# Altium PCB BUCK电路.PcbDoc
Units mil, origin at the board's own origin, x right, y up, seen from the top; angles counter-clockwise.
Board outline 3149.61 x 1968.5 mil, 2 copper layers (Top Layer, Bottom Layer); 38 components, 17 nets, 95 pads, 20 vias.
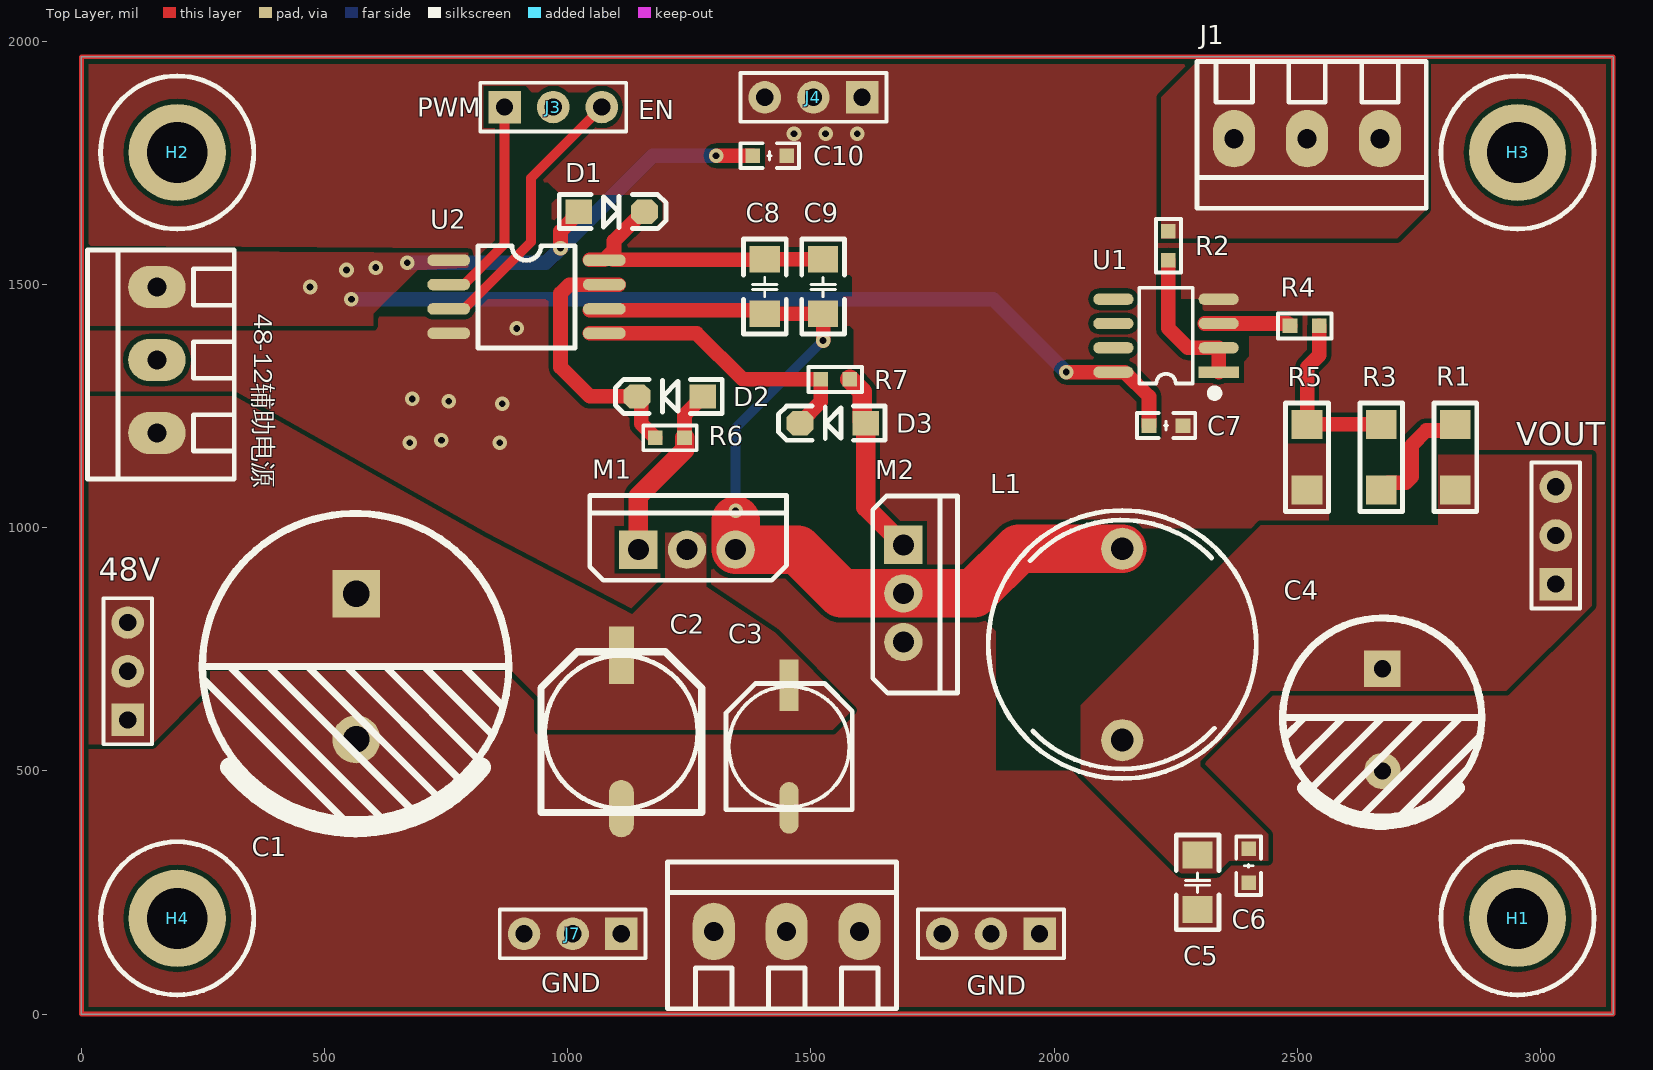
[diagram p0: Top Layer view]
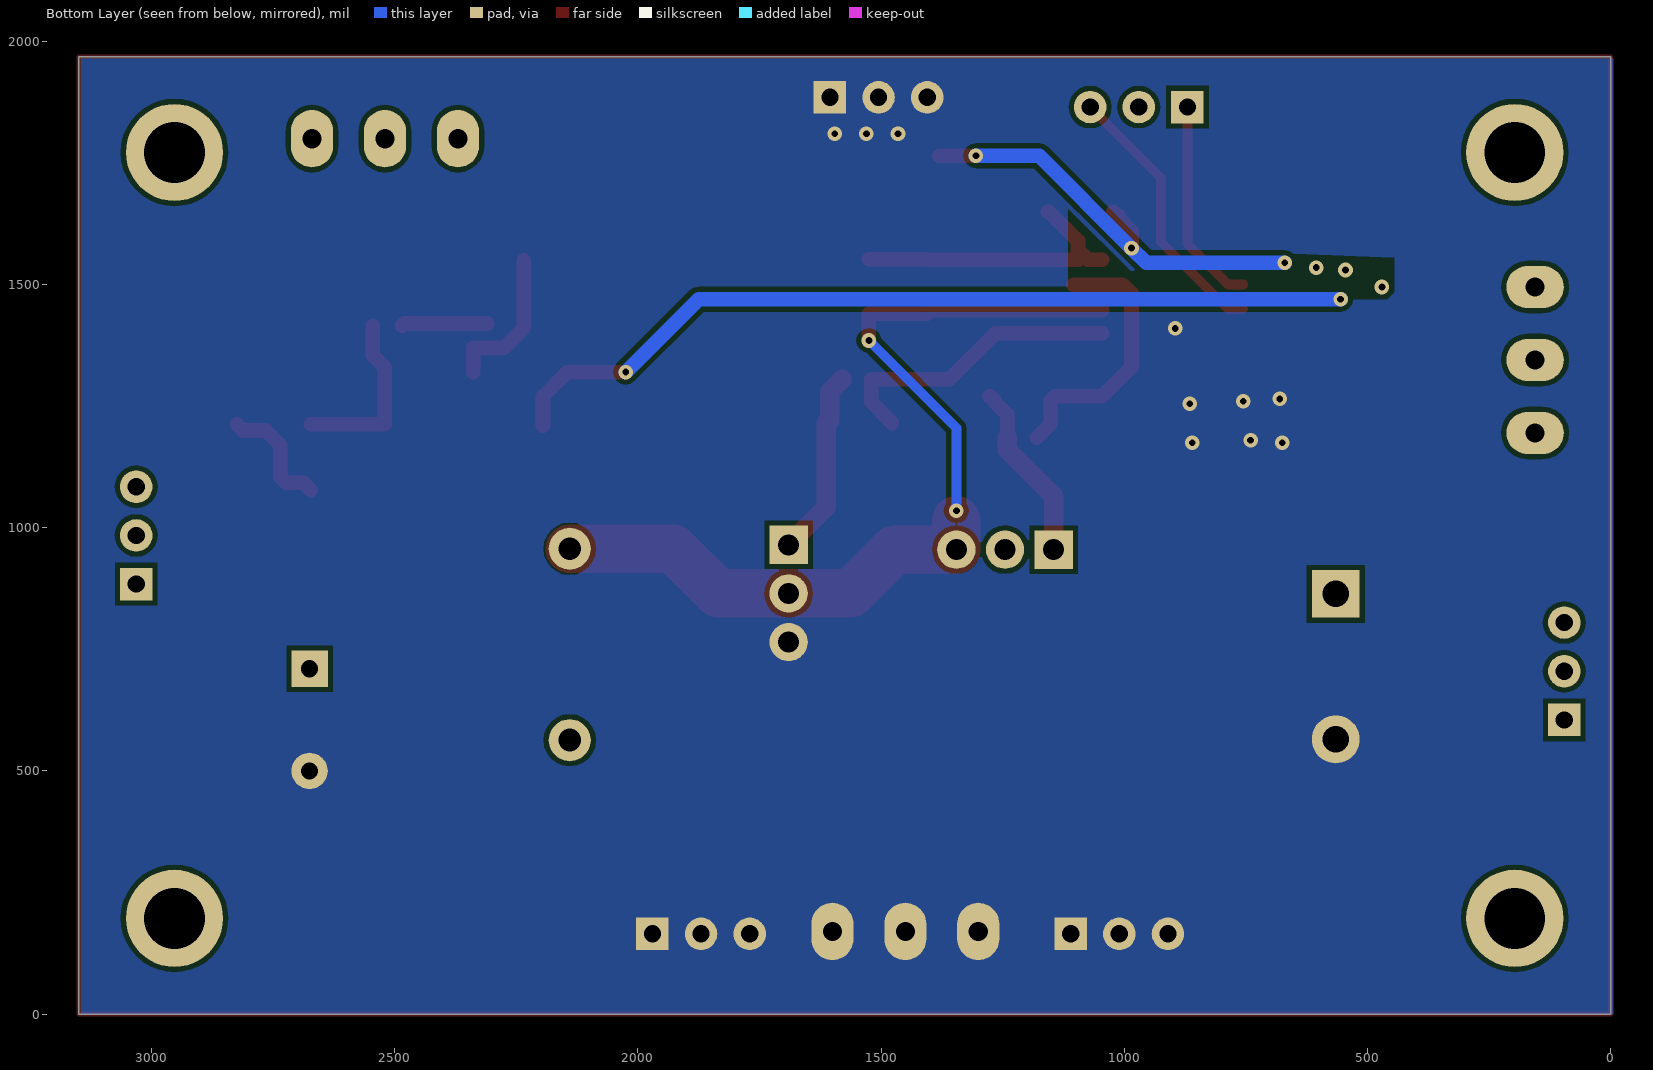
[diagram p1: Bottom Layer view, seen from below]

## Layer stack, top to bottom
Top Solder: solder mask 0.4, Solder Resist, Dk 3.5
Top Layer: signal copper 1.4
Dielectric 1: dielectric 12.6, FR-4, Dk 4.8
Bottom Layer: signal copper 1.4
Bottom Solder: solder mask 0.4, Solder Resist, Dk 3.5

## Board outline
0,0 0,1968.5 3149.61,1968.5 3149.61,0

## Design rules (kind name [scope] priority, off if disabled: settings)
Clearance [All] p1: gap=10 ignorepadtopadclearanceinfootprint=FALSE except(0: Arc-Hole Track-Hole SMDPad-Hole THPad-Hole Via-Hole Fill-Hole Poly-Hole Region-Hole Text-Hole)
PlaneConnect [All] p1: planeconnectstyle=Direct reliefexpansion=20 reliefentries=4 reliefconductorwidth=10 reliefairgap=10
PolygonConnect [All] p1: connectstyle=Direct reliefconductorwidth=10 reliefentries=4 polygonreliefangle="90 Angle" airgapwidth=10
RoutingVias [All] p1: holewidth=28 width=50 viastyle="Through Hole" minholewidth=5 minwidth=20 maxholewidth=28 maxwidth=50
SilkToSolderMaskClearance [IsPad] p1: minsilkscreentomaskgap=5 clearancetoexposedcopper=TRUE
SolderMaskExpansion [All] p1: expansion=4 istentingtop=FALSE
Width [All] p1: maxlimit=100 minlimit=20 preferedwidth=20
28 further rules are at their usual default settings.

## Components (designator, comment, footprint, x,y, rotation, side; value= is the part's Value field where it differs from the comment)
48-12辅助电源 "Header" KF128-3.81-3P 155,1345 r90 top
48V "Header" HDR2.54-LI-3P 95,705 r90 top (schematic designator 48V_IN)
C1 "470uF" "CAP 16*25" 563.5,714.61 r270 top
C2 "22uF" "CAP 8*10.5" 1110,580 r90 top
C3 "2.2uF" "CAP 6.3*5.4" 1455,550 r90 top
C4 "680uF" "CAP 10*16" 2675,610 r270 top
C5 "22uF" "C 1206" 2295,270 r90 top
C6 "22nF" "C 0603" 2400,305 r90 top
C7 "0.1uF" "C 0603" 2230,1210 r180 top
C8 "22uF" "C 1206" 1405,1495 r90 top
C9 "22uF" "C 1206" 1525,1495 r90 top
C10 "0.1uF" "C 0603" 1415,1765 r180 top
D1 "FR107" SOD-123 1090,1650 r0 top
D2 "1N5819" SOD-123 1210,1270 r180 top
D3 "1N5819" SOD-123 1545,1215 r180 top
GND "Header" KF128-3.81-3P 1450,170 r0 top (schematic designator J6)
GND "Header" HDR2.54-LI-3P 1870,165 r180 top (schematic designator J5)
H1 "定位孔" M3x10_L 2952.76,196.85 r0 top
H2 "定位孔" M3x10_L 196.85,1771.65 r0 top
H3 "定位孔" M3x10_L 2952.76,1771.65 r0 top
H4 "定位孔" M3x10_L 196.85,196.85 r0 top
J1 "Header" KF128-3.81-3P 2520,1800 r180 top
J3 "Header" HDR2.54-LI-3P 970,1865 r0 top
J4 "Header" HDR2.54-LI-3P 1505,1885 r180 top
J7 "Header" HDR2.54-LI-3P 1010,165 r180 top
L1 "100uH" L-65125 2140,760 r270 top
M1 "IRF540" TO220A 1245,955 r0 top
M2 "IRF540" TO220A 1690,865 r270 top
R1 "20K" "R 1206_M" 2825,1145 r270 top
R2 "100R" "R 0603" 2235,1580 r90 top
R3 "20K" "R 1206_M" 2672.5,1145 r270 top
R4 "100R" "R 0603" 2515,1415 r0 top
R5 "20K" "R 1206_M" 2520,1145 r90 top
R6 "7R5" "R 0603" 1210,1185 r180 top
R7 "7R5" "R 0603" 1550,1305 r180 top
U1 "LM358" SOP8_M 2230,1395 r180 top
U2 "IR2104" SOIC-8 755,1550 r0 top
VOUT "Header" HDR2.54-LI-3P 3031.5,984.25 r90 top

## Footprints (in the part's own frame and the unit in brackets; to place one, negate y for a bottom-side part, rotate by r counter-clockwise, add the part's x,y. Pads: shape width x height; smd on the part's side, far side on the other; paste and mask are expansions set on the pad)
"C 0603" [mil] "无极性贴片电容"
  rect 30x30 smd: 1(-35,0) 2(35,0)
  silkscreen extent -60,-26 60,26, body extent -31,-16 31,16, height 32
"C 1206" [mil] "无极性贴片电容"
  rect 55x62 smd: 1(-55.12,0) 2(57.09,0)
  silkscreen extent -96,-44 98,44, body extent -63,-32 63,32, height 48
"CAP 6.3*5.4" [mm] "贴片电解电容，直径6.3mm，高5.4mm"
  rect 2.7x1 smd: 1(3.2,0)
  oval 2.7x1 smd: 2(-3.2,0)
  silkscreen extent -3.3,-3.3 3.3,3.3, body extent -3.5,-3.3 3.5,3.3, height 5.4
"CAP 8*10.5" [mm] "贴片电解电容，直径8mm，高10.2mm"
  rect 3x1.3 smd: 1(4,0)
  oval 3x1.3 smd: 2(-4,0)
  silkscreen extent -4.2,-4.2 4.2,4.2, body extent -4.5,-4.15 4.5,4.15, height 10.2
"CAP 10*16" [mm] "脚距5mm直径10mm高度16mm"
  rect 1.9x1.9 hole 0.9: 1(-2.54,0)
  round 1.9 hole 0.9: 2(2.794,0)
  silkscreen extent -5.19,-5.21 5.5,5.19, body extent -5,-5 5.01,5, height 16.04
"CAP 16*25" [mm] "脚距7.5mm直径16mm高度25mm"
  rect 2.5x2.5 hole 1.4: 1(-3.8,0.038)
  round 2.5 hole 1.4: 2(3.8,0.038)
  silkscreen extent -8,-8 8.42,8, body extent -8,-8 8.01,8, height 25.03
HDR2.54-LI-3P [mm] "排针，3脚"
  rect 1.7x1.7 hole 0.9: 1(-2.54,0)
  round 1.7 hole 0.9: 2(0,0) 3(2.54,0)
  silkscreen extent -3.81,-1.27 3.81,1.27, body extent -3.81,-1.27 3.81,1.27, height 8.5
KF128-3.81-3P [mm] "螺钉式接线端子，脚距3.81mm"
  oval 2.2x3 hole 1: 1(-3.81,0) 2(0,0) 3(3.81,0)
  silkscreen extent -6.22,-4.04 5.74,3.63, body extent -6.21,-3.9 5.72,3.5, height 8.55
L-65125 [mm] "6*11*14mm(脚距，直径，高）"
  round 2.2 hole 1.2: 1(-5,0) 2(5,0)
  silkscreen extent -7,-7 7,7
M3x10_L [mil] "M3铜柱，长：10mm"
  round 200 hole 125: 1(0,0)
  silkscreen extent -157,-157 157,157, body extent -106,-93 106,93, height 396
"R 0603" [mil] "1/10W贴片电阻"
  rect 30x30 smd: 1(-30,0) 2(30,0)
  silkscreen extent -55,-26 55,26, body extent -31,-16 32,16, height 16
"R 1206_M" [mil] "1/4W贴片电阻"
  rect 60x62.99 smd: 1(-67.5,0) 2(67.5,0)
  silkscreen extent -112,-44 112,44, body extent -63,-31 63,32, height 22
SOD-123 [mil] "2.7x1.6X1.1mm（长宽高，不包括引脚）"
  rect 55x50 smd: 1(-67.5,0)
  oct 55x50 smd: 2(67.5,0)
  silkscreen extent -108,-35 112,35, body extent -73,-31 73,31, height 48
SOIC-8 [mil]
  oval 88x24 smd: 1(0,0) 2(0,-50) 3(0,-100) 4(0,-150) 5(320,-150) 6(320,-100) 7(320,-50) 8(320,0)
  silkscreen extent 60,-180 260,30, body extent -5,-181 325,31, height 91
SOP8_M [mm] "5*6*1.8mm（长宽高）"
  rect 2.1x0.6 smd: 1(-2.75,1.905)
  oval 2.1x0.6 smd: 2(-2.75,0.635) 3(-2.75,-0.635) 4(-2.75,-1.905) 5(2.75,-1.905) 6(2.75,-0.635) 7(2.75,0.635) 8(2.75,1.905)
  silkscreen extent -2.69,-2.5 1.4,3.15, body extent -3,-2.5 3,2.5, height 1.9
TO220A [mm] "220，3脚晶体管"
  rect 2x2 hole 1.1: 1(-2.54,0)
  round 2 hole 1.1: 2(0,0) 3(2.54,0)
  silkscreen extent -5.08,-1.6 5.21,2.82, body extent -5.15,-1.53 5.15,2.9, height 18.5

## Part data
C1 C2 C3 C4: library part 电解电容
C5 C6 C7 C8 C9 C10: library part 电容
L1: library part 电感
R1 R2 R3 R4 R5 R6 R7: library part 电阻

## Via types
v1: diameter 30, hole 14, Top Layer to Bottom Layer, tented both sides, 20 vias

## Nets (pads, with @x,y where several pads share a name; then routed paths per layer and width w, separated by ;. In a path a pad name is that pad's centre, name@x,y a point inside that pad or via, vN(x,y) a via of type N, cw(c..) or ccw(c..) an arc to the next point about the centre after c; other vN are vias at no path point)
+12V: 48-12辅助电源.3 C7.2 C10.2 D1.1 U1.8 U2.1 | length 2677.4
  Top Layer w30: v1(985,1575) 985,1610 1010,1635 1010,1640 1015,1645 1020,1645 1022.5,1647.5 D1.1 ; v1(1305,1765) C10.2 ; v1(2025,1320) U1.8 2144.88,1320 2195,1269.88 C7.2
  Bottom Layer w30: v1(555,1470) 1875,1470 v1(2025,1320) ; v1(670,1545) 955,1545 v1(985,1575) 1175,1765 v1(1305,1765)
  other v1: 470,1495 545,1530 605,1535
+48V: 48-12辅助电源.1 48V.1 48V.2 48V.3 C1.1 C2.1 C3.1 M1.2
ADC: J1.1 J1.2 J1.3 R2.2
ENABLE: J3.3 U2.3 | length 564.2
  Top Layer w20: U2.3 787,1450 924.39,1587.39 924.39,1719.39 J3.3
GND: C1.2 C2.2 C3.2 C4.2 C5.1 C6.1 C7.1 C10.1 GND.1 GND.2 GND.3 J4.1 J4.2 J4.3 J7.1 J7.2 J7.3 M2.3 R5.1 U1.4 U2.4
  other v1: 675,1175 860,1175 740,1180 865,1255 755,1260 680,1265 895,1410 1465,1810 1530,1810 1595,1810
HO: D2.1 M1.1 R6.1 | length 371.3
  Top Layer w30: R6.1 1240,1232.5 1265,1257.5 1265,1260 1275,1270 D2.1
  Top Layer w40: M1.1 1145,1065 1240,1160 R6.1
LO: D3.1 M2.1 R7.1 | length 387
  Top Layer w40: R7.1 1605,1280 1605,1220 1610,1215 D3.1 1612.5,1042.5 M2.1
NetC8_2: C8.2 C9.2 D1.2 U2.8 | length 618
  Top Layer w30: U2.8@1045,1551.04 1074.54,1551.04 1095,1571.5 ; D1.2 1155,1650 1095,1590 1095,1571.5 ; C9.2 C8.2 1403.96,1551.04 1093.04,1551.04 1095,1553 1095,1571.5
NetD2_2: D2.2 R6.2 U2.7 | length 562.6
  Top Layer w30: U2.7@1105,1500 U2.7 1002.57,1500 985,1482.43 985,1330 1045,1270 D2.2 1151.29,1261.21 1151.29,1213.71 R6.2
NetD3_2: D3.2 R7.2 U2.5 | length 622
  Top Layer w30: U2.5@1045,1400 U2.5 1264.5,1400 1359.5,1305 R7.2 1520,1258.71 1477.5,1216.21 D3.2
NetR1_1: R1.1 R3.2 | length 246.5
  Top Layer w30: R3.2 2687.5,1092.5 2722.5,1092.5 2735,1105 2735,1170 2765,1200 2812.5,1200 R1.1
NetR2_1: R2.1 U1.1 U1.2 | length 309.8
  Top Layer w30: R2.1 2235,1410 2275,1370 U1.2 U1.1
NetR4_1: R4.1 U1.3 | length 177.1
  Top Layer w30: U1.3@2310,1420 U1.3 2480,1420 R4.1
PWM: J3.1 U2.2 | length 431.4
  Top Layer w20: U2.2 787,1500 870,1583 J3.1
Sam_Vol: R3.1 R4.2 R5.2 | length 365.4
  Top Layer w30: R4.2 2545,1355 2520,1330 R5.2 R3.1
VOUT: C4.1 C5.2 C6.2 L1.2 R1.2 VOUT.1 VOUT.2 VOUT.3
VS: C8.1 C9.1 L1.1 M1.3 M2.2 U2.6 | length 1892.7
  Top Layer w30: U2.6@1045,1447 1397.88,1447 C8.1 C9.1 v1(1525,1385)
  Top Layer w100: 1345,1015 M1.3 1472.5,955 1562.5,865 M2.2 1835,865 1926.85,956.85 L1.1
  Bottom Layer w20: v1(1345,1035) 1345,1205 v1(1525,1385)
pads on no net: 48-12辅助电源.2 H1.1 H2.1 H3.1 H4.1 J3.2 U1.5 U1.6 U1.7
copper on no net: | length 10236.2
  Top Layer w10: 0,0 3149.61,0 3149.61,1968.5 0,1968.5 0,0

## Polygon pours and split planes (outlines as drawn)
GND on Top Layer "Top Layer-GND" (solid, pour order 34): 0,1968.5 3149.61,1968.5 3149.61,0 0,0
ADC on Top Layer "Top Layer-ADC" (solid, pour order 30): 2220,1595 2705,1595 2765,1655 2765,1960 2295,1960 2220,1885
no net on Top Layer "Top Layer-No Net" (solid, pour order 28): 2220,1595
GND on Top Layer "Top Layer-GND 1" (solid, pour order 26): 1630,525 1630,795 1740,795 1755,780 1755,525
no net on Top Layer "Top Layer-No Net 1" (solid, pour order 24): 1520,1305
no net on Top Layer "Top Layer-No Net 2" (solid, pour order 20): 1145,1075
+48V on Top Layer "Top Layer-+48V" (solid, pour order 0): 15,1270 315,1270 830,980 1132.16,822.16 1200,890 1200,990 1280,990 1285,985 1285,878.33 1425,785 1585,625 1545,585 940,585 940,650 875,715 255,715 255,665 145,555 15,555
no net on Top Layer "Top Layer-No Net 3" (solid, pour order 18): 1142.5,1270
no net on Top Layer "Top Layer-No Net 4" (solid, pour order 16): 1240,1185
GND on Top Layer "Top Layer-GND 2" (solid, pour order 14): 1355,1935 1655,1935 1655,1835 1560,1740 1430,1740 1430,1785 1380,1835 1355,1835
no net on Top Layer "Top Layer-No Net 5" (solid, pour order 12): 1305,1765
+12V on Top Layer "Top Layer-+12V" (solid, pour order 10): 15,1570 15,1425 10,1420 15,1415 600,1415 600,1440 690,1530 795,1535 795,1565
VOUT on Top Layer "Top Layer-VOUT" (solid, pour order 8): 2055,520 2055,495 2260,290 2335,290 2360,315 2440,315 2440,370 2300,510 2300,520
VOUT on Top Layer "Top Layer-VOUT 1" (solid, pour order 6): 2055,520 2300,520 2445,665 2930,665 3105,840 3105,1150 2790,1150 2790,1005 2425,1005 2055,635
GND on Top Layer "Top Layer-GND 3" (solid, pour order 2): 495,615 495,5 2755,5 2755,295 2875,415 2875,605 2475,605 2470,610 2470,305 2370,305 2335,270 2010,270 1755,525 705,525 705,545 620,630
GND on Bottom Layer "Bottom Layer-GND" (solid, pour order 36): -5.63,1964.37 3144.37,1964.37 3144.37,-0.63 -5.63,-0.63

## Other copper
Top Layer:
  pour cut-out: 2294.2,1400.49 2292.68,1398.97 2292.68,1395.49 2285.56,1395.49 2260.49,1420.56 2260.49,1469.51 2260,1470 2305,1470 2305,1448.3 2300.25,1443.55
  pour cut-out: 2377.85,1389.51 2383.52,1383.84 2383.52,1354.28 2345.72,1354.28 2345,1355 2340,1350 2340,1335 2382.8,1335 2400,1352.2 2400,1395
  pour cut-out: 944.78,1710.95 959.05,1710.95 985,1685 966.98,1666.98 966.98,1556.98 968.02,1556.98 1026.05,1615 1060,1615 1060,1685 1137.5,1685 1120,1667.5 1120,1648.3 1069.51,1597.81 1069.51,1582.06 1042.71,1582.06 1026.98,1566.32 1026.98,1531.98 960,1465 955,1470 835,1470 835,1471.36 944.78,1581.14
  pour cut-out: 1215,1230 1215,1092.21 1175.26,1052.47 1175.26,1004.37 1220.93,1004.37 1293.47,931.82 1587.47,931.82 1587.47,1174.77 1529.74,1232.5 1369.39,1232.5
  pour cut-out: 1545.49,1298.99 1497.5,1251 1497.5,1180 1582.24,1180 1580,1182.24 1580,1275
  pour cut-out: 1286.11,1421.51 1370.06,1337.56 1370.06,1330.49 1530.59,1330.49 1548.66,1312.42 1570.47,1334.23 1587.83,1334.23 1587.83,1407.17 1580,1415
  pour cut-out: 1120.76,1525.55 1120.76,1480.93 1119.33,1479.51 1123.84,1475 1585,1475 1585,1515 1580,1520
  pour cut-out: 1013.13,1474.51 1010.49,1471.87 1010.49,1340.56 1157.55,1193.5 1237.05,1193.5 1278.55,1235 1281.05,1232.5 1457.74,1232.5 1494.51,1269.27 1494.51,1279.51 1348.94,1279.51 1153.94,1474.51
  pour cut-out: 1640.63,971.58 1640.63,925.29 1587.47,925.29 1587.47,1030.47 1583.27,1034.67
  pour cut-out: 2182.63,999.48 2406.16,999.48 2044.8,638.13 2044.8,491.87 2036.68,500 1880,500 1880,787.37 1858.07,809.3 1945.33,896.56 1951.82,896.56
  pour cut-out: 2630,1015 2630.2,1015.2 2779.8,1015.2 2779.8,1154.22 2785.58,1160 2870,1160 2870,1169 2864.49,1174.51 2775.56,1174.51
  pour cut-out: 2709.51,1117.99 2707.46,1120.04 2707.46,1172.5 2631,1172.5 2631,1187.01 2561.5,1187.01 2565,1183.51 2565,1020 2625,1020 2630,1015
  pour cut-out: 700.57,1510.91 700.57,1490.71 713.71,1477.57 773.33,1477.57 773.33,1475.01 775.91,1472.43 774.21,1470.72 714.42,1470.72 702.28,1458.58 707.14,1453.72 707.14,1434.14 611.83,1434.14 610.72,1435.26
  pour cut-out: 890.39,1589.3 892.46,1587.23 895.39,1587.23 905.55,1597.39 905.55,1729.39 1039,1862.84 1039,1896 992.69,1896 981.35,1907.35 970,1896 925.93,1896 913.46,1908.46 913.46,1821.54 890.39,1821.54
Bottom Layer:
  pour cut-out: 445,1555 445,1483.95 458.95,1470 529.51,1470 529.51,1489.02 545,1504.51 554.51,1495 1115,1495 1115,1655 986.98,1526.98 677.47,1526.98 670,1519.51 651.98,1537.53 651.98,1563.02

## Silkscreen, mask and mechanical layers (free items; w line width, h text height)
Top Overlay:
  text "PWM" at 690,1845 h39.37
  text "EN" at 1145,1840 h39.37

## Dimensions
0,0 to 3149.61,0 on Top Layer
0,1968.5 to 0,0 on Top Layer